# Altium PCB PCBV3.PcbDoc (part 1 of 3)
Units mm, origin at the board's own origin, x right, y up, seen from the top; angles counter-clockwise.
Board outline 120.86 x 117.6 mm, 2 copper layers (L1_Top, L14_Bot), stack 1.671 mm thick; 192 components, 120 nets, 529 pads, 244 vias.
Unrouted connection lines stored in the file: 121.
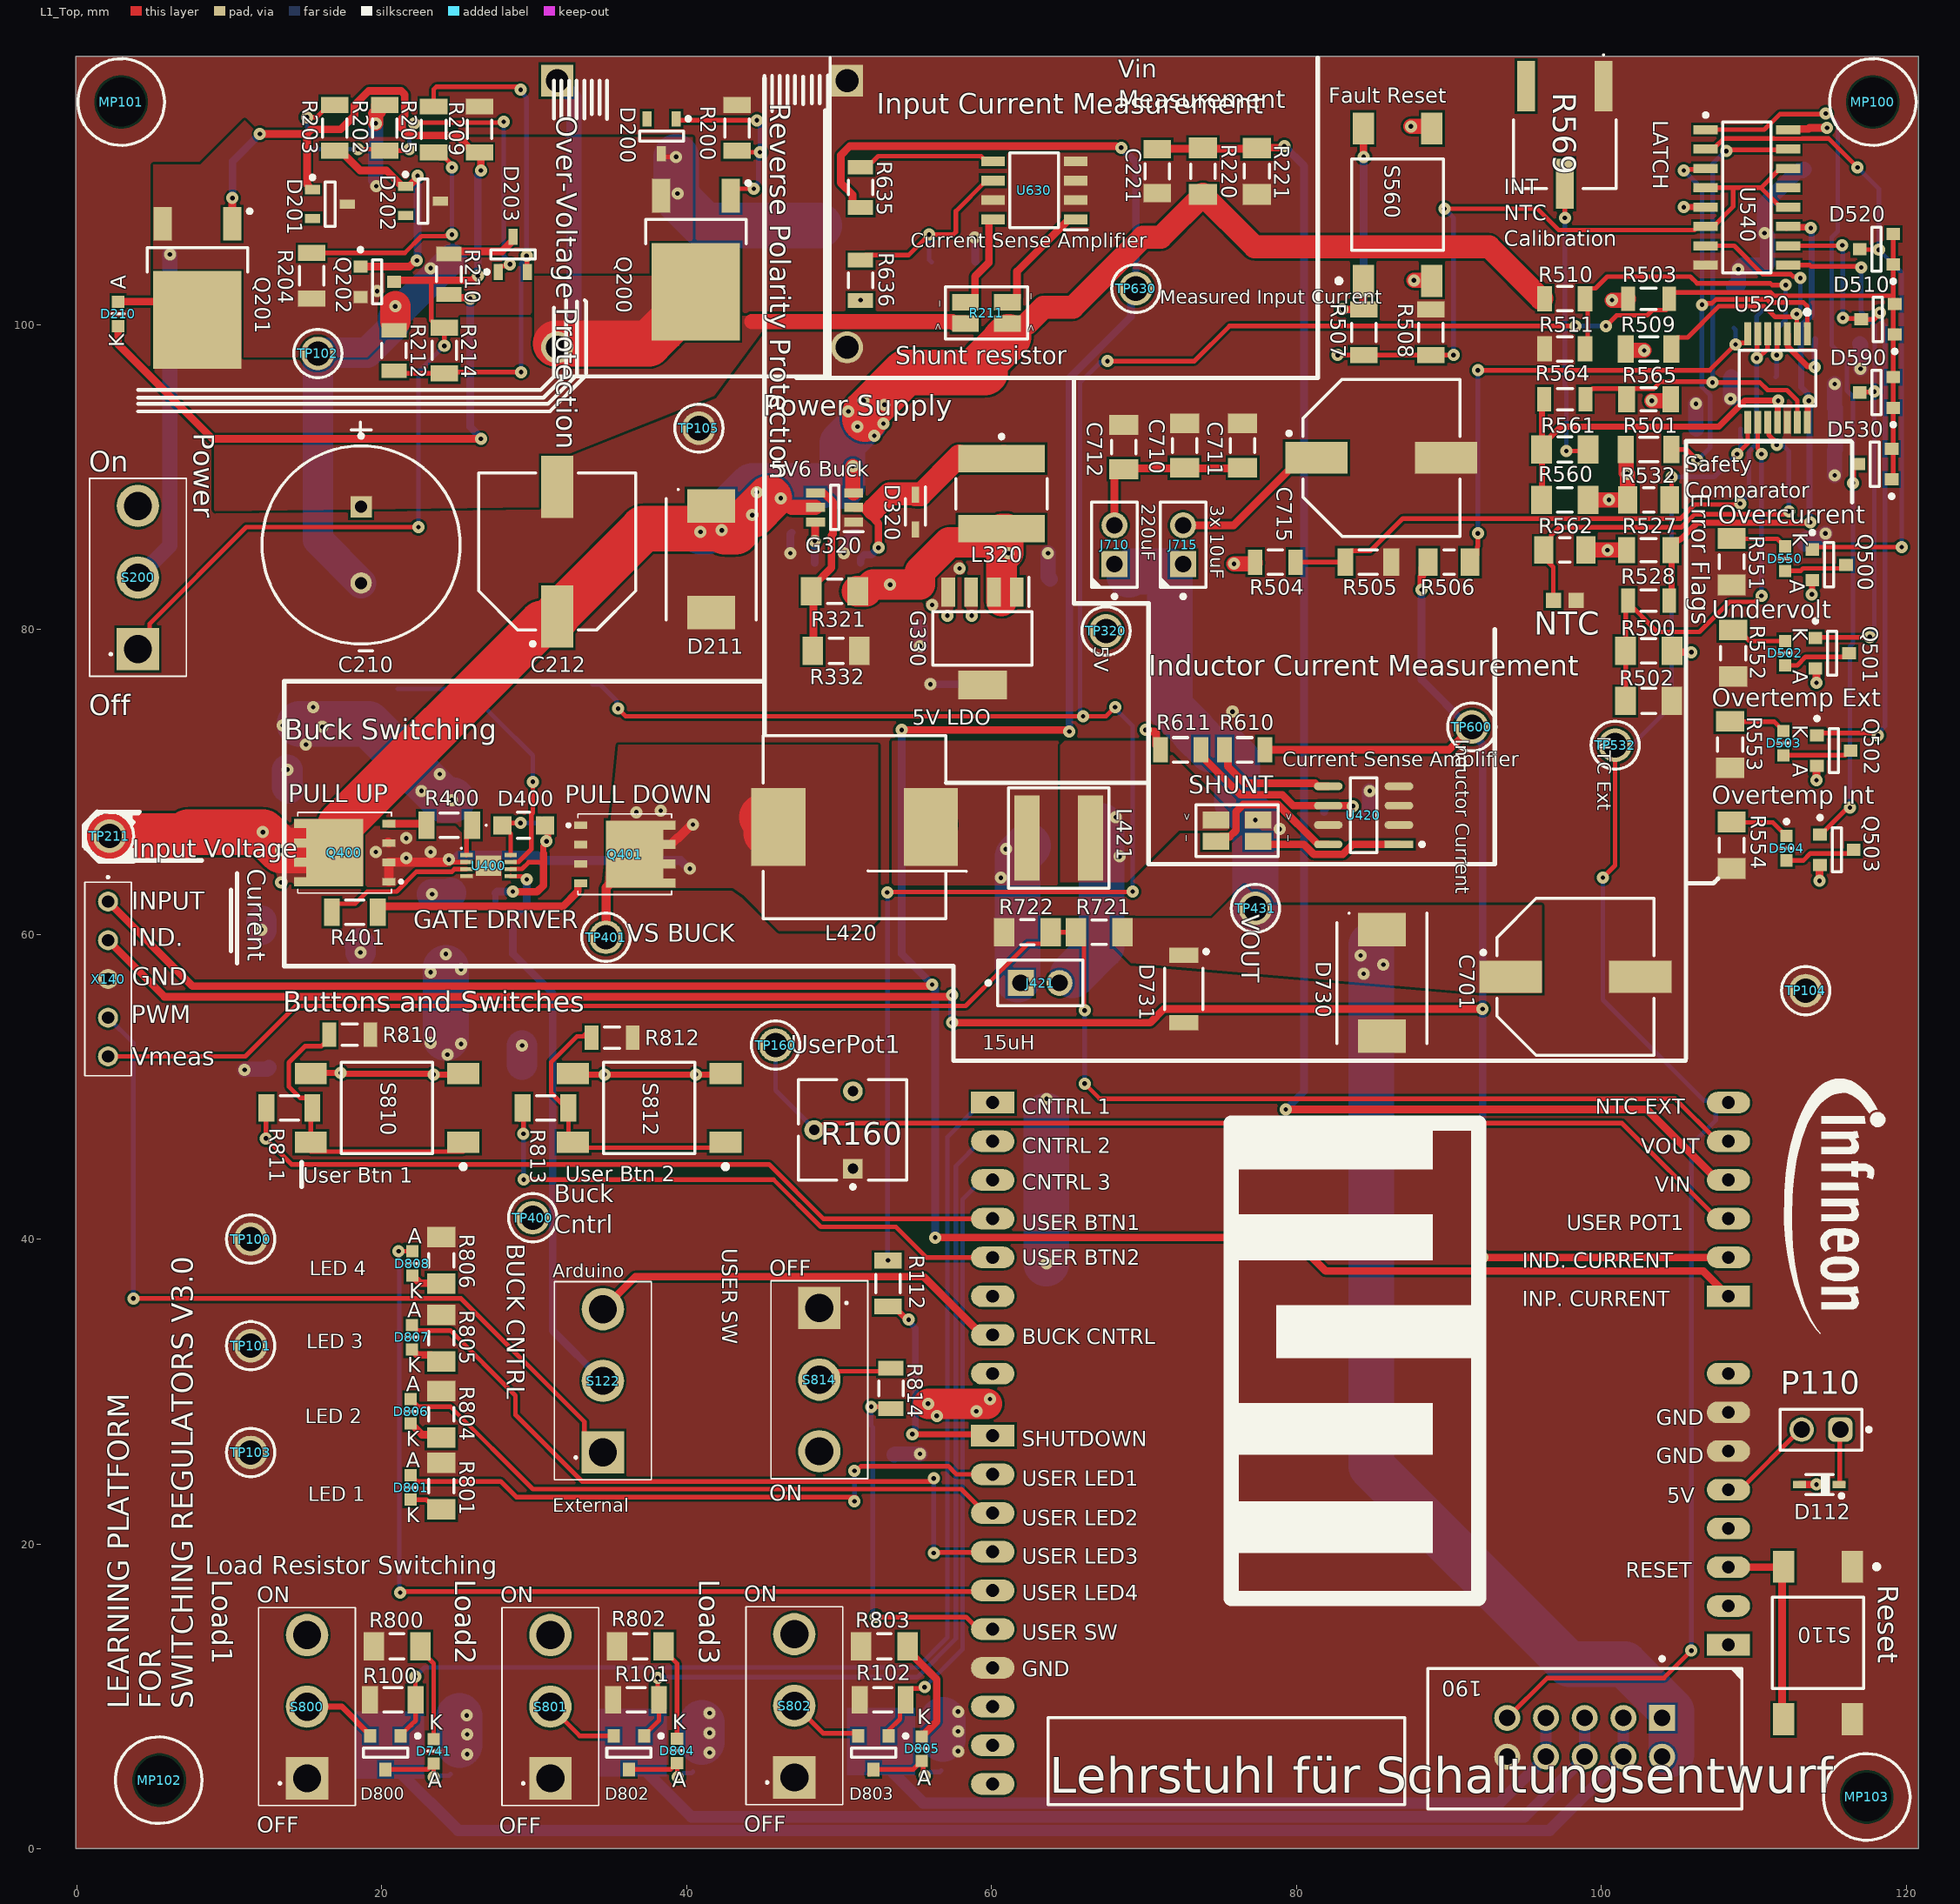
[diagram p0: L1_Top view]
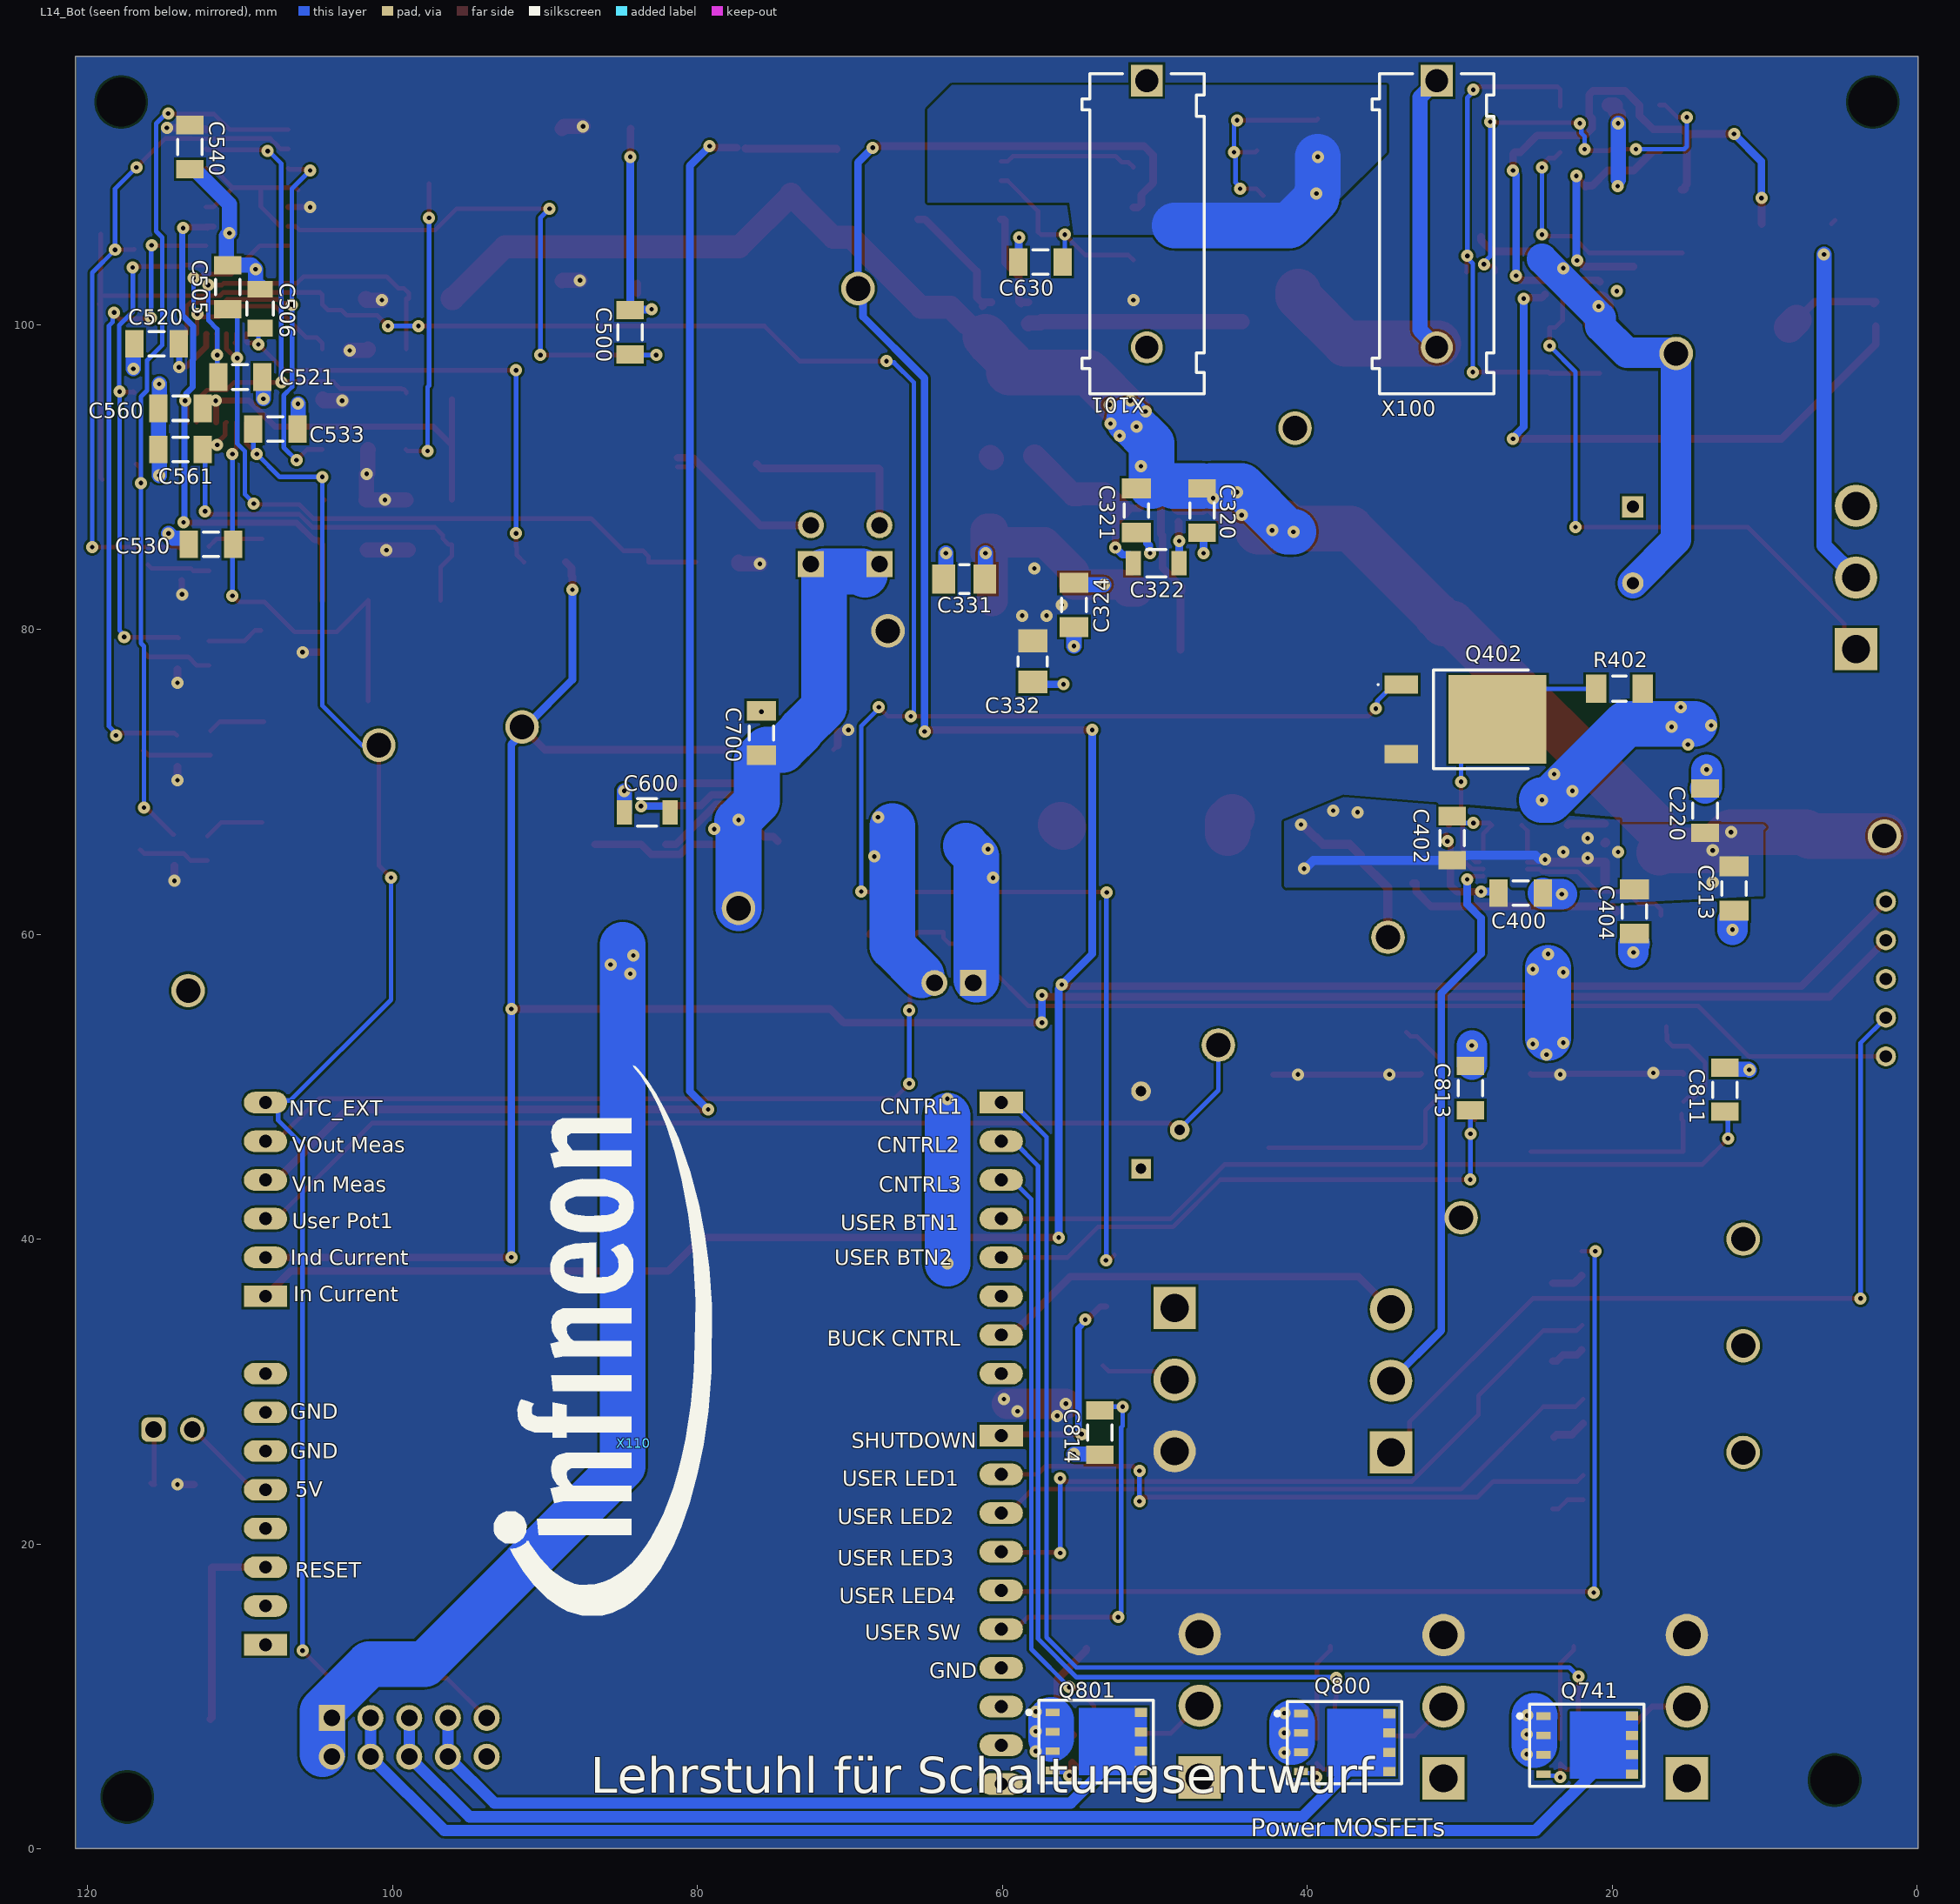
[diagram p1: L14_Bot view, seen from below]
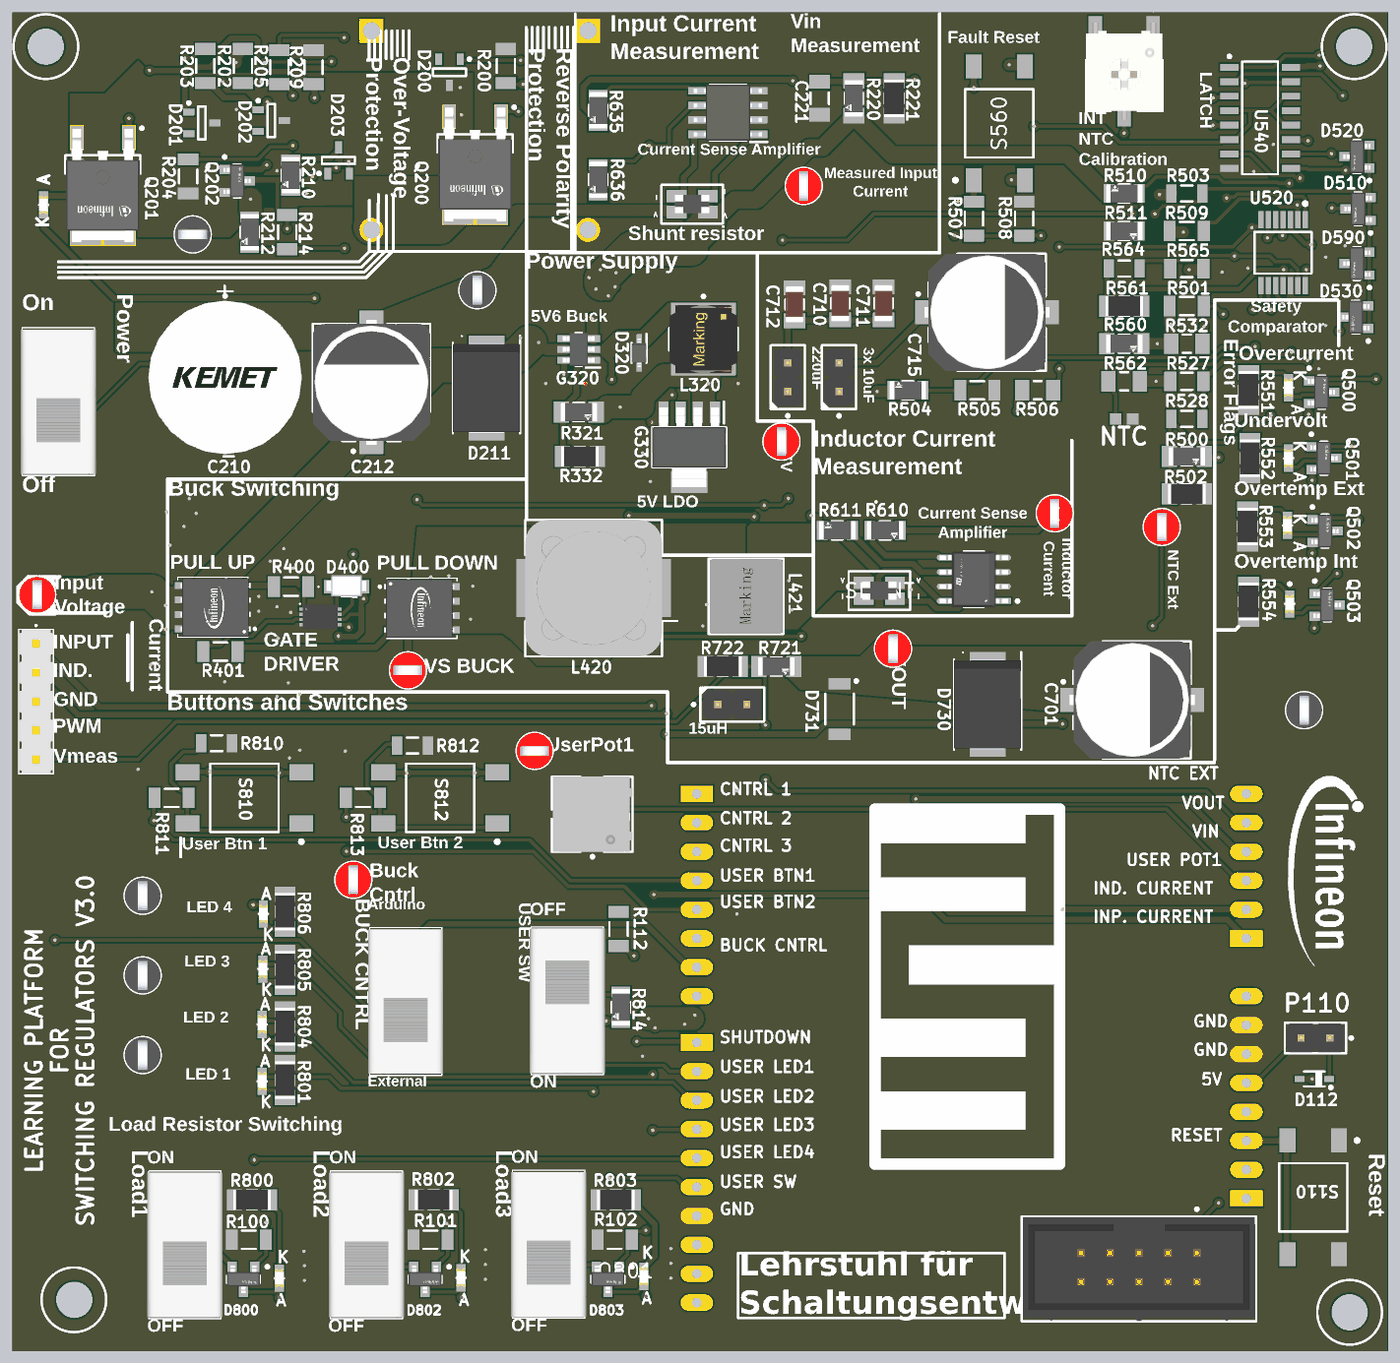
[diagram p4: 3D render of the assembled board from above, using the file's embedded part models]

## Layer stack, top to bottom
Top Solder: solder mask 0.0102, Solder Resist, Dk 3.5
L1_Top: signal copper 0.0356
Dielectric4: prepreg 1.6, FR-4, Dk 4.2
L14_Bot: signal copper 0.0356
Bottom Solder: solder mask 0.0102, Solder Resist, Dk 3.5

## Board outline
-0.061,0 120.8,0 120.8,117.6 -0.06,117.6

## Design rules (kind name [scope] priority, off if disabled: settings)
Clearance Clearance_OLTTTPPP [OnOutside] p1: gap=0.15 ignorepadtopadclearanceinfootprint=TRUE
Clearance Clearance_ILTTTPPP [All] p2: gap=0.15 ignorepadtopadclearanceinfootprint=TRUE except(0.2: Arc-Hole Track-Hole SMDPad-Hole THPad-Hole Via-Hole Fill-Hole Poly-Hole Region-Hole)
Height [All] p1 off: minheight=0 maxheight=25.4 prefheight=12.7
HoleSize [All] p1: absolutevalues=TRUE maxlimit=1000 minlimit=0.25 maxpercent=80.000 minpercent=20.000
MinimumAnnularRing MinimumAnnularRing_OAR [OnOutside] p1: minimumring=0.125
MinimumAnnularRing MinimumAnnularRing_IAR [All] p2: minimumring=0.125
PolygonConnect [All] p1: connectstyle=Direct reliefconductorwidth=0.254 reliefentries=4 polygonreliefangle="90 Angle" airgapwidth=0.254
RoutingVias [All] p1: holewidth=0.711 width=1.27 viastyle="Through Hole" minholewidth=0.711 minwidth=1.27 maxholewidth=0.711 maxwidth=1.27
SolderMaskExpansion [IsVia] p1: expansion=0 istentingtop=TRUE
Width Width_ILTW [All] p1: maxlimit=3 minlimit=0.15 preferedwidth=0.15
28 further rules are at their usual default settings.

## Classes and differential pairs
component class U_User: C811 C813 C814 D741 D800 D801 D802 D803 D804 D805 D806 D807 D808 Q741 Q800 Q801 R800 R801 R802 R803 R804 R805 R806 R810 R811 R812 R813 R814 S800 S801 S802 S810 S812 S814
component class U_Safety: 3 32 C500 C505 C506 C520 C521 C530 C533 C540 C560 C561 D502 D503 D504 D510 D520 D530 D550 D590 NTC Q500 Q501 Q502 Q503 R500 R501 R502 R503 R504 R505 R506 R507 R508 R509 R510 R511 R527 R528 R532 R551 R552 R553 R554 R560 R561 R562 R564 R565 R569 S560 TP532 U520 U540
component class U_PowerSupply: C320 C321 C322 C324 C331 C332 D320 G320 G330 L320 R320 R321 R322 R332 TP320
component class U_PowerStage: C400 C402 C404 C600 C700 C701 C710 C711 C712 C715 D400 D730 D731 J421 J710 J715 JP421 JP710 L420 L421 Q400 Q401 Q402 R400 R401 R402 R610 R611 R721 R722 Shunt TP400 TP401 TP431 TP600 U400 U420 VOut
component class U_Input: 2 C210 C212 C213 C220 C221 C630 D200 D201 D202 D203 D210 D211 Q200 Q201 Q202 R200 R202 R203 R204 R205 R209 R210 R211 R212 R214 R220 R221 R635 R636 S200 TP211 TP630 U630
component class 02_Top_Level: 2 190 232 D112 JP122 MP100 MP101 MP102 MP103 P110 R100 R101 R102 R112 R160 S110 S122 TP100 TP101 TP102 TP103 TP104 TP105 TP160 UserPot1 X100 X101 X102 X103 X110 X140

## Components (designator, comment, footprint, x,y, rotation, side; value= is the part's Value field where it differs from the comment)
190 "61201021621" CON-M-THT-61201021621 98.9,7.312 r270 top
C210 "1mF" CAPPRD500W60D1300H2700B 18.64,85.54 r270 top
C212 "220uF" CAPAE1030X1050N-3 31.5,85.1 r90 top
C213 "10uF" CAPC3216X190N-1 12,63 r90 bottom
C220 "100nF" CAPC3216X125N-0 13.9,68.1 r90 bottom
C221 "1nF" CAPC3216X95N 70.86,110.06 r90 top
C320 "100nF" CAPC3216X125N-0 46.9,87.8 r90 bottom
C321 "10uF" CAPC3216X190N-1 51.2,87.8 r90 bottom
C322 "100nF" FP-1206-L_3_2_0_2-W_1_6_0-MFG 49.899,84.35 r0 bottom
C324 "10uF" CAPC3216X190N-1 55.3,81.6 r90 bottom
C331 "10uF" FP-1206-L_3_2_0_3-W_1_6_0-IPC_B 62.5,83.3 r0 bottom
C332 "10uF" FP-1206-L_3_2_0_3-W_1_6_0-IPC_B 58,77.9 r270 bottom
C400 "100nF" CAPC3216X125N-0 26,62.7 r0 bottom
C402 "100nF" CAPC3216X125N-0 30.5,66.3 r90 bottom
C404 "10uF" CAPC3216X190N-1 18.535,61.49 r90 bottom
C500 "100nF" CAPC3216X125N-0 84.405,99.488 r270 bottom
C505 "100nF" CAPC3216X125N-0 110.812,102.446 r270 bottom
C506 "22n" FP-GRM319-0_15-IPC_C 108.683,101.038 r90 bottom value=22nF
C520 "100nF" CAPC3216X125N-0 115.483,98.738 r0 bottom
C521 "1nF" CAPC3216X95N 109.986,96.554 r0 bottom
C530 "100nF" CAPC3216X125N-0 111.907,85.573 r180 bottom
C533 "100nF" CAPC3216X125N-0 107.683,93.138 r0 bottom
C540 "100nF" CAPC3216X125N-0 113.283,111.638 r90 bottom
C560 "100nF" CAPC3216X125N-0 113.9,94.5 r180 bottom
C561 "100nF" CAPC3216X125N-0 113.9,91.8 r180 bottom
C600 "100nF" FP-1206-L_3_2_0_2-W_1_6_0-MFG 83.3,68 r0 bottom
C630 "100nF" CAPC3216X125N-0 57.5,104.1 r180 bottom
C700 "10uF" CAPC3216X190N-1 75.8,73.2 r270 bottom
C701 "220uF" CAPAE1030X1050N-3 98.3,57.2 r0 top
C710 "10uF" CAPC3216X190N-1 72.66,92.06 r270 top
C711 "10uF" CAPC3216X190N-1 76.46,92.06 r270 top
C712 "10uF" CAPC3216X190N-1 68.66,91.96 r270 top
C715 "220uF" CAPAE1030X1050N-3 85.56,91.26 r0 top
C811 "100nF" CAPC3216X125N-0 12.6,49.8 r270 bottom
C813 "100nF" CAPC3216X125N-0 29.3,49.9 r270 bottom
C814 "100nF" CAPC3216X125N-0 53.6,27.3 r90 bottom
D112 "BAS3010A03" SOD2513X110N#1 114.3,23.9 r180 top value=BAS3010A03WE6327HTSA1
D200 "12V" SOT95P230X110-3N 38.35,112.35 r270 top
D201 "12V" SOT95P230X110-3N 16.599,107.901 r0 top
D202 "12V" SOT95P230X110-3N 22.699,108.101 r0 top
D203 "ATL431AQDBZR" SOT95P237X112-3N-1 28.599,104.601 r90 top
D210 "Red" LEDSC160X80X80-2N-1 2.7,100.7 r90 top
D211 "SMDJ20A" DIOM7959X262N 41.6,84.6 r270 top
D320 "BAS3010A03" SOD2513X110N#2 55,87.7 r270 top value=BAS3010A03WE6327HTSA1
D400 "PMEG3010ER,115" PMEG3010ER115 29.3,67.149 r0 top
D502 "Red" LEDSC160X80X80-2N-1 112.04,78.44 r270 top
D503 "Red" LEDSC160X80X80-2N-1 111.94,72.54 r270 top
D504 "Red" LEDSC160X80X80-2N-1 112.14,65.64 r270 top
D510 "BAT54-05" SOT95P240X110-3N-1-V 118.14,100.34 r180 top
D520 "BAT54-05" SOT95P240X110-3N-1-V 118.04,104.94 r180 top
D530 "BAT54-05" SOT95P240X110-3N-1-V 117.94,90.84 r180 top
D550 "Red" LEDSC160X80X80-2N-1 112.04,84.64 r270 top
D590 "BAT54-05" SOT95P240X110-3N-1-V 118.04,95.54 r180 top
D730 "SMC5K40A-M3/I" DIOM7959X262N 85.6,56.8 r270 top
D731 "PMEG6030ETPX" SODFL4725X110N 72.6,56.4 r270 top
D741 "Red" LEDSC160X80X80-2N-1 23.404,6.396 r270 top
D800 "BAT54-05" SOT95P240X110-3N-1-V 20.246,6.3 r270 top
D801 "Red" LEDSC160X80X80-2N-1 21.9,23.7 r90 top
D802 "BAT54-05" SOT95P240X110-3N-1-V 36.206,6.3 r270 top
D803 "BAT54-05" SOT95P240X110-3N-1-V 52.256,6.3 r270 top
D804 "Red" LEDSC160X80X80-2N-1 39.364,6.427 r270 top
D805 "Red" LEDSC160X80X80-2N-1 55.414,6.562 r270 top
D806 "Red" LEDSC160X80X80-2N-1 21.9,28.7 r90 top
D807 "Red" LEDSC160X80X80-2N-1 21.961,33.559 r90 top
D808 "Red" LEDSC160X80X80-2N-1 22,38.4 r90 top
G320 "LMR51420XFDDCR" SOT95P280X110-6N 49.7,88 r180 top
G330 "LP3875EMP-5.0_NOPB" SOT150P700X180-5N 59.4,79.4 r270 top value=LP3875EMP-5.0/NOPB
J421 "61300211121" CON-M-THT-61300211121 63.182,56.804 r0 top
J710 "61300211121" CON-M-THT-61300211121 68.06,85.56 r90 top
J715 "61300211121" CON-M-THT-61300211121 72.56,85.56 r90 top
L320 "22uH" IND-SMD-74404064220 60.65,88.899 r270 top
L420 "27uH" INDM120120X1000N 51.008,67.027 r0 top
L421 "15uH" IND-SMD-SRP6060FA 64.4,66.3 r0 top
MP100 "0082 3 16" "SCREW_0082 3 16_NPTH"#1 117.8,114.6 r180 top
MP101 "0082 3 16" "SCREW_0082 3 16_NPTH"#1 2.9,114.6 r0 top
MP102 "0082 3 16" "SCREW_0082 3 16_NPTH"#2 5.36,4.5 r0 top
MP103 "0082 3 16" "SCREW_0082 3 16_NPTH"#1 117.4,3.4 r0 top